# Altium PCB foxbms2-master.PcbDoc (part 1 of 11) (continued)
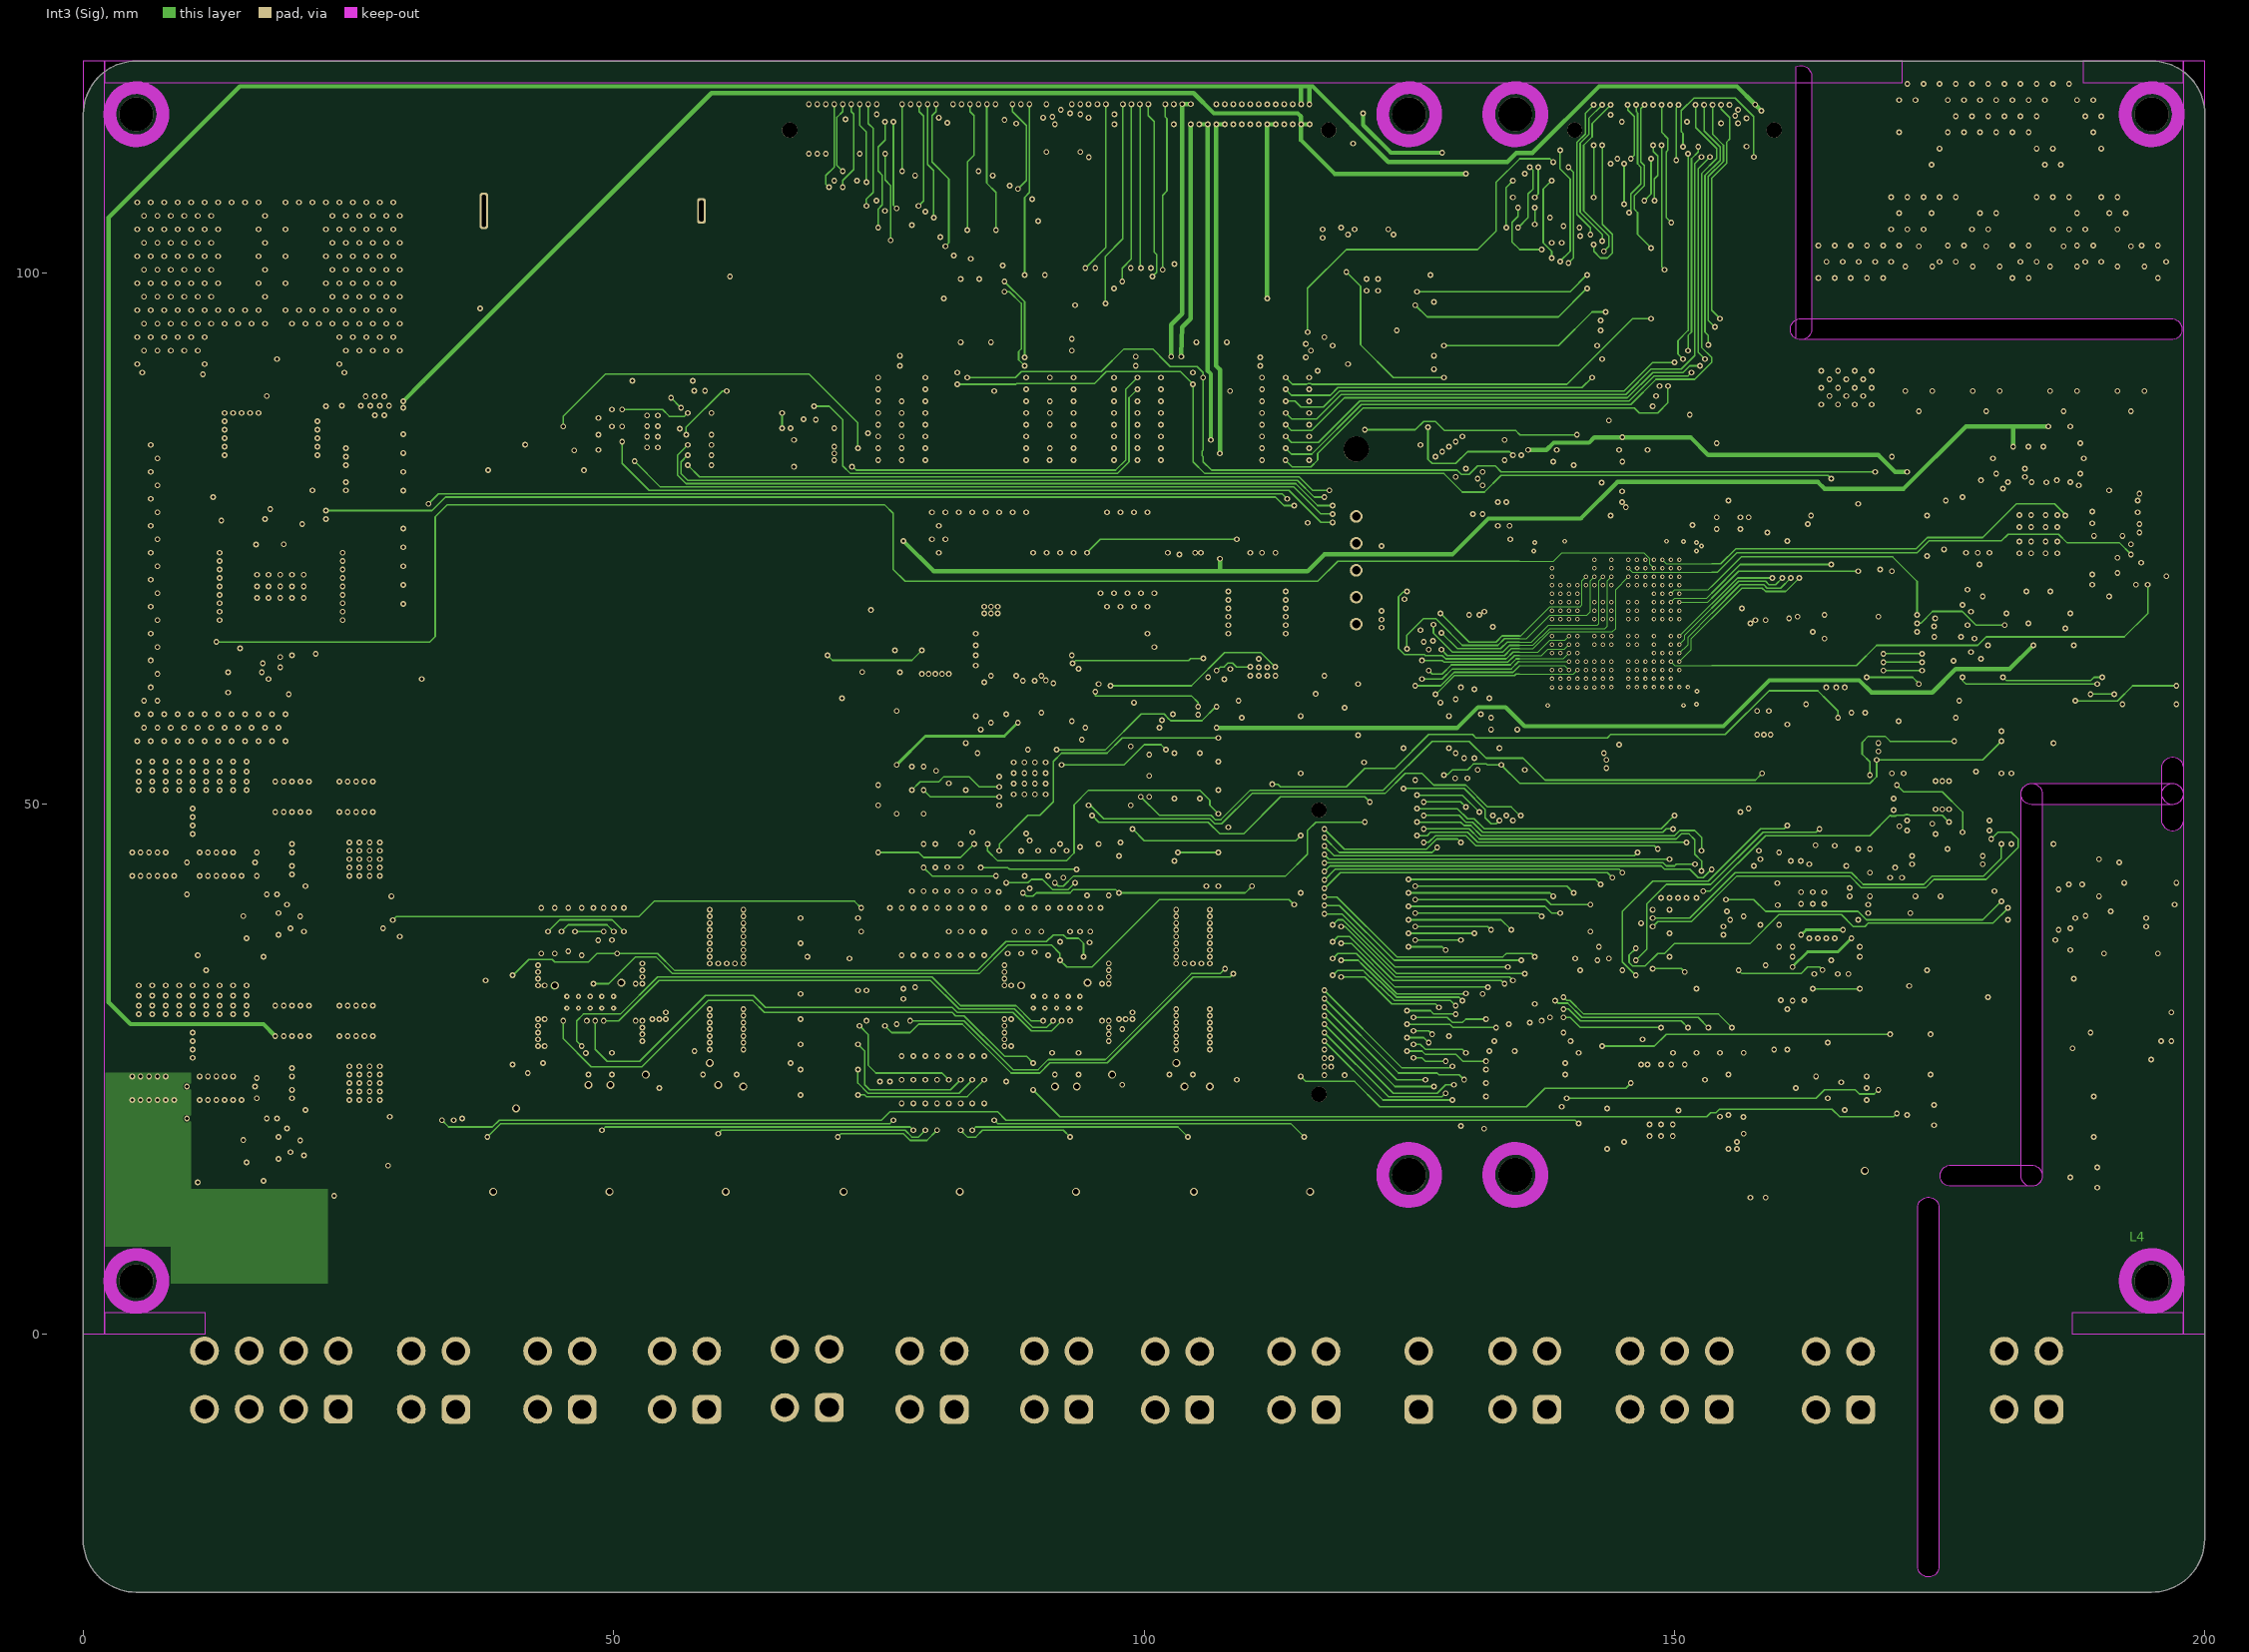
[diagram p4: Int3 (Sig)]
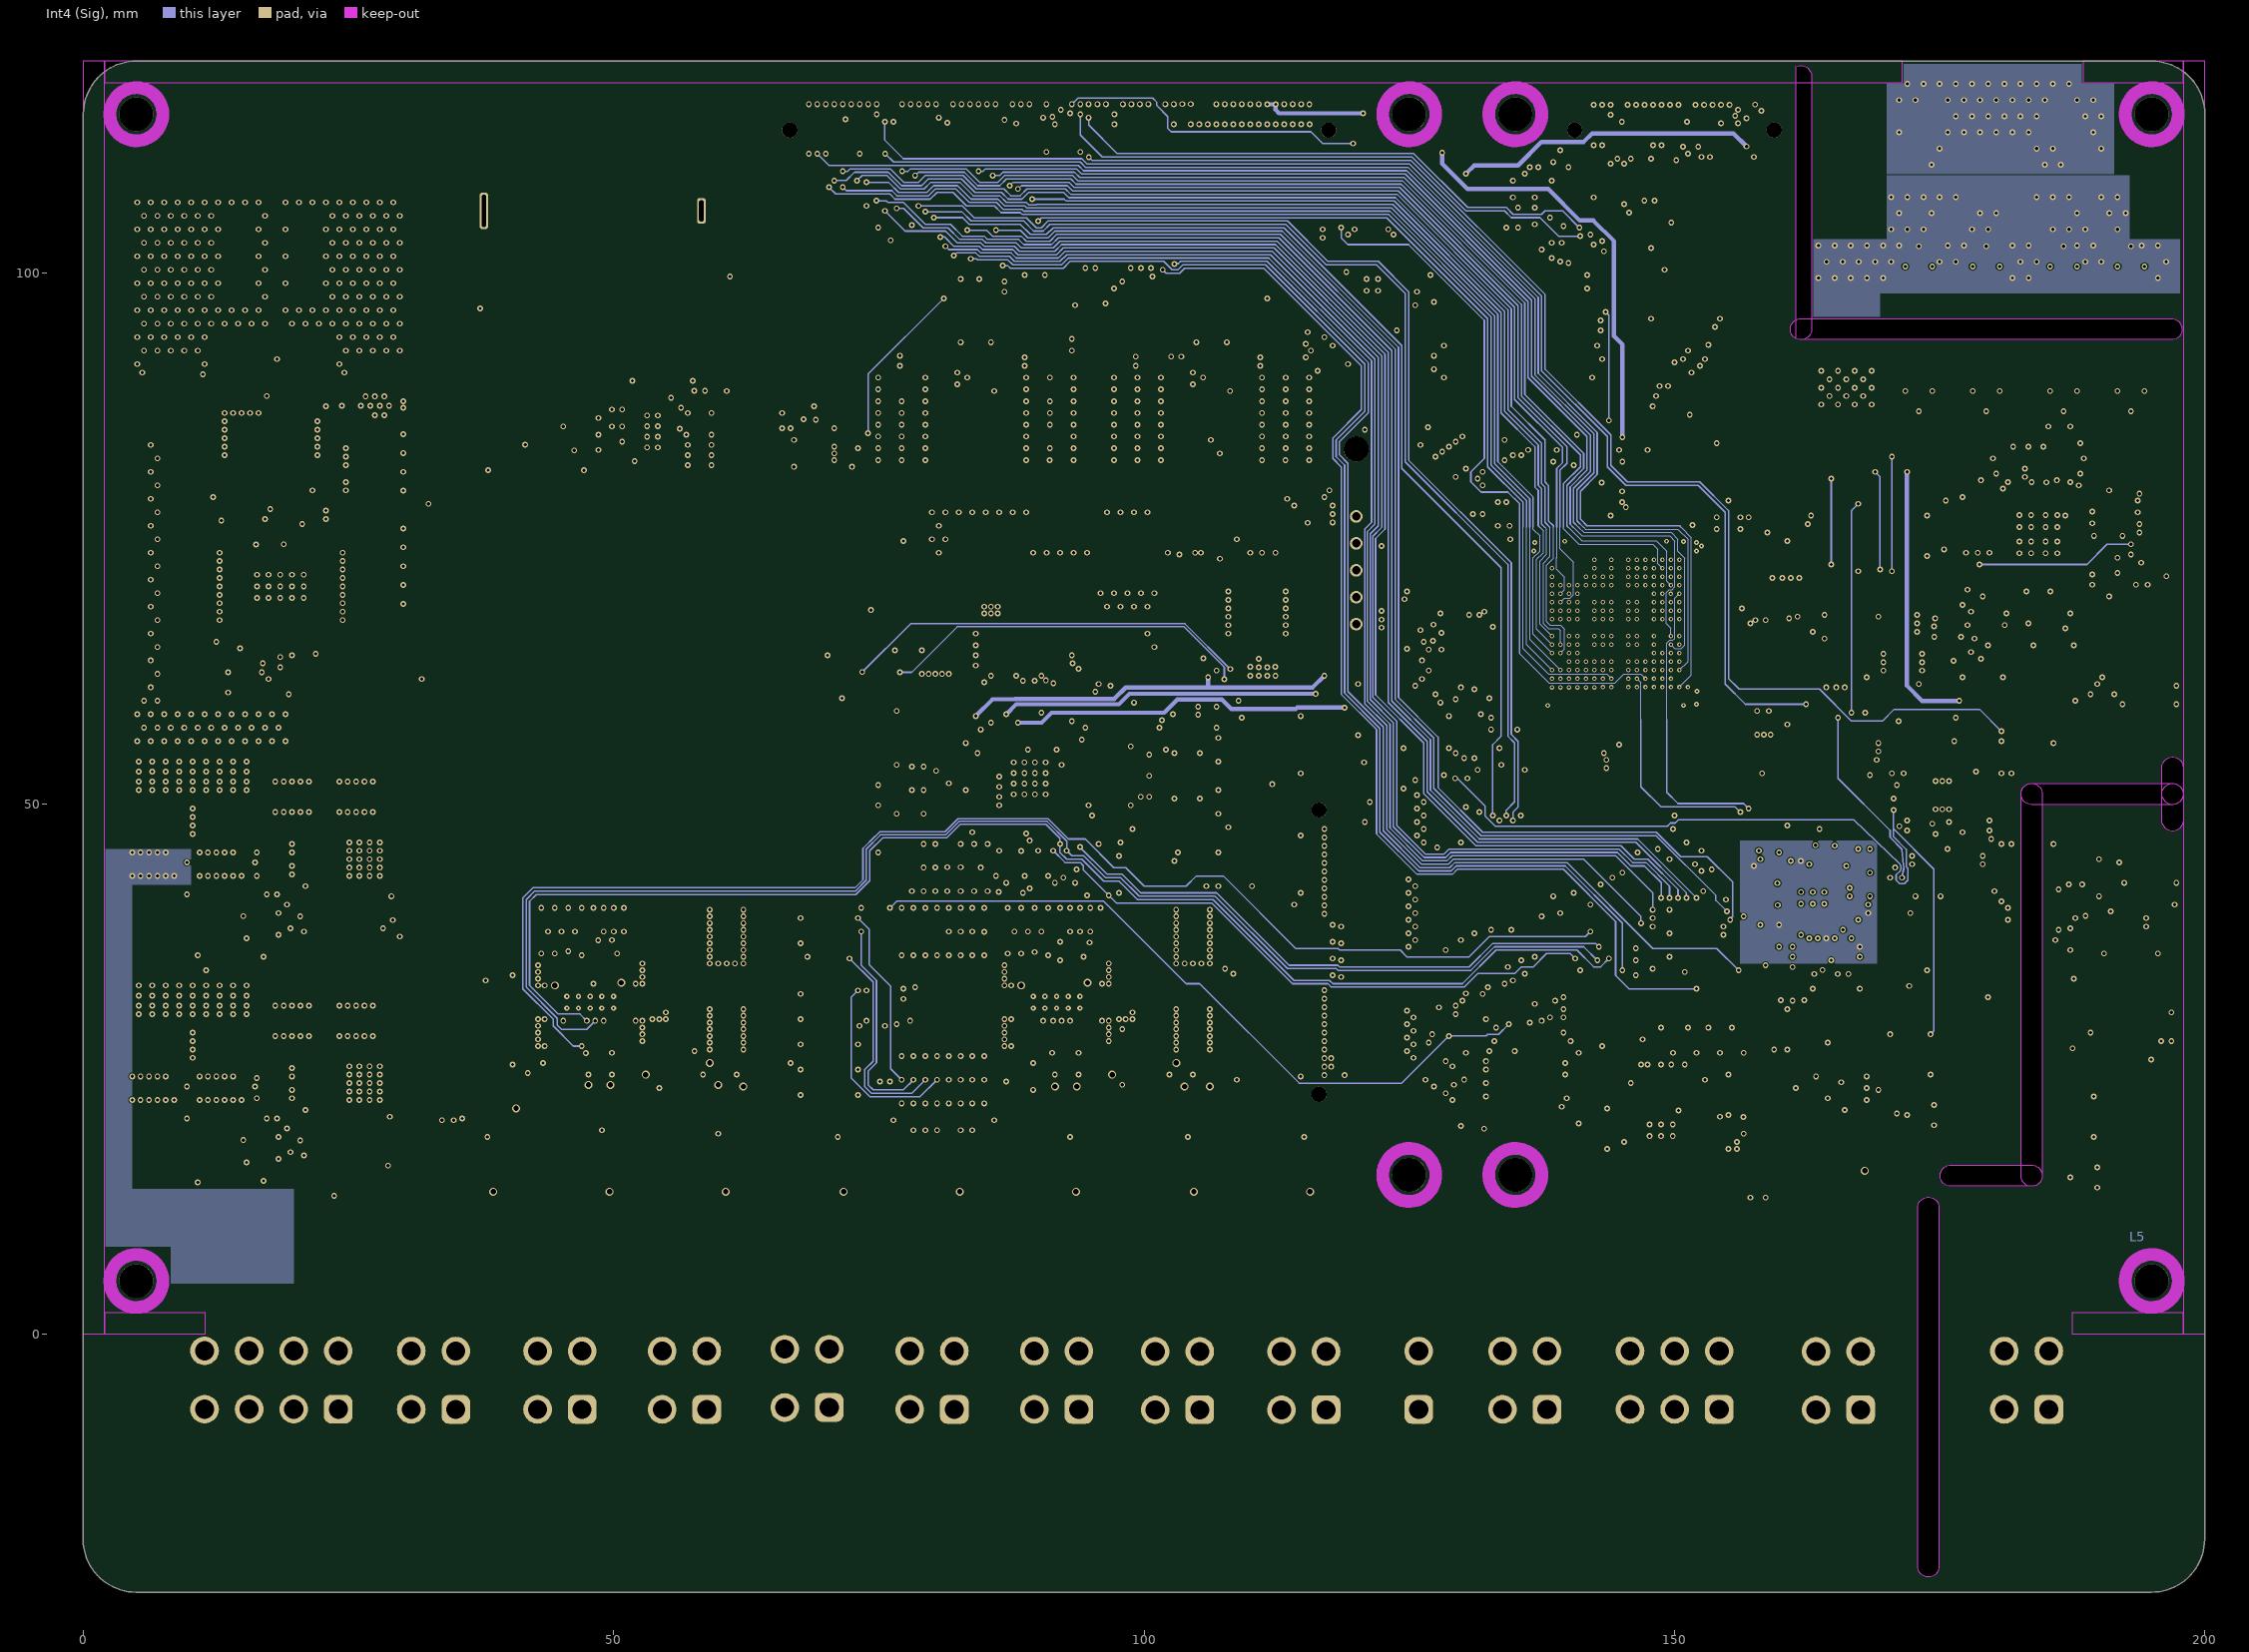
[diagram p5: Int4 (Sig)]
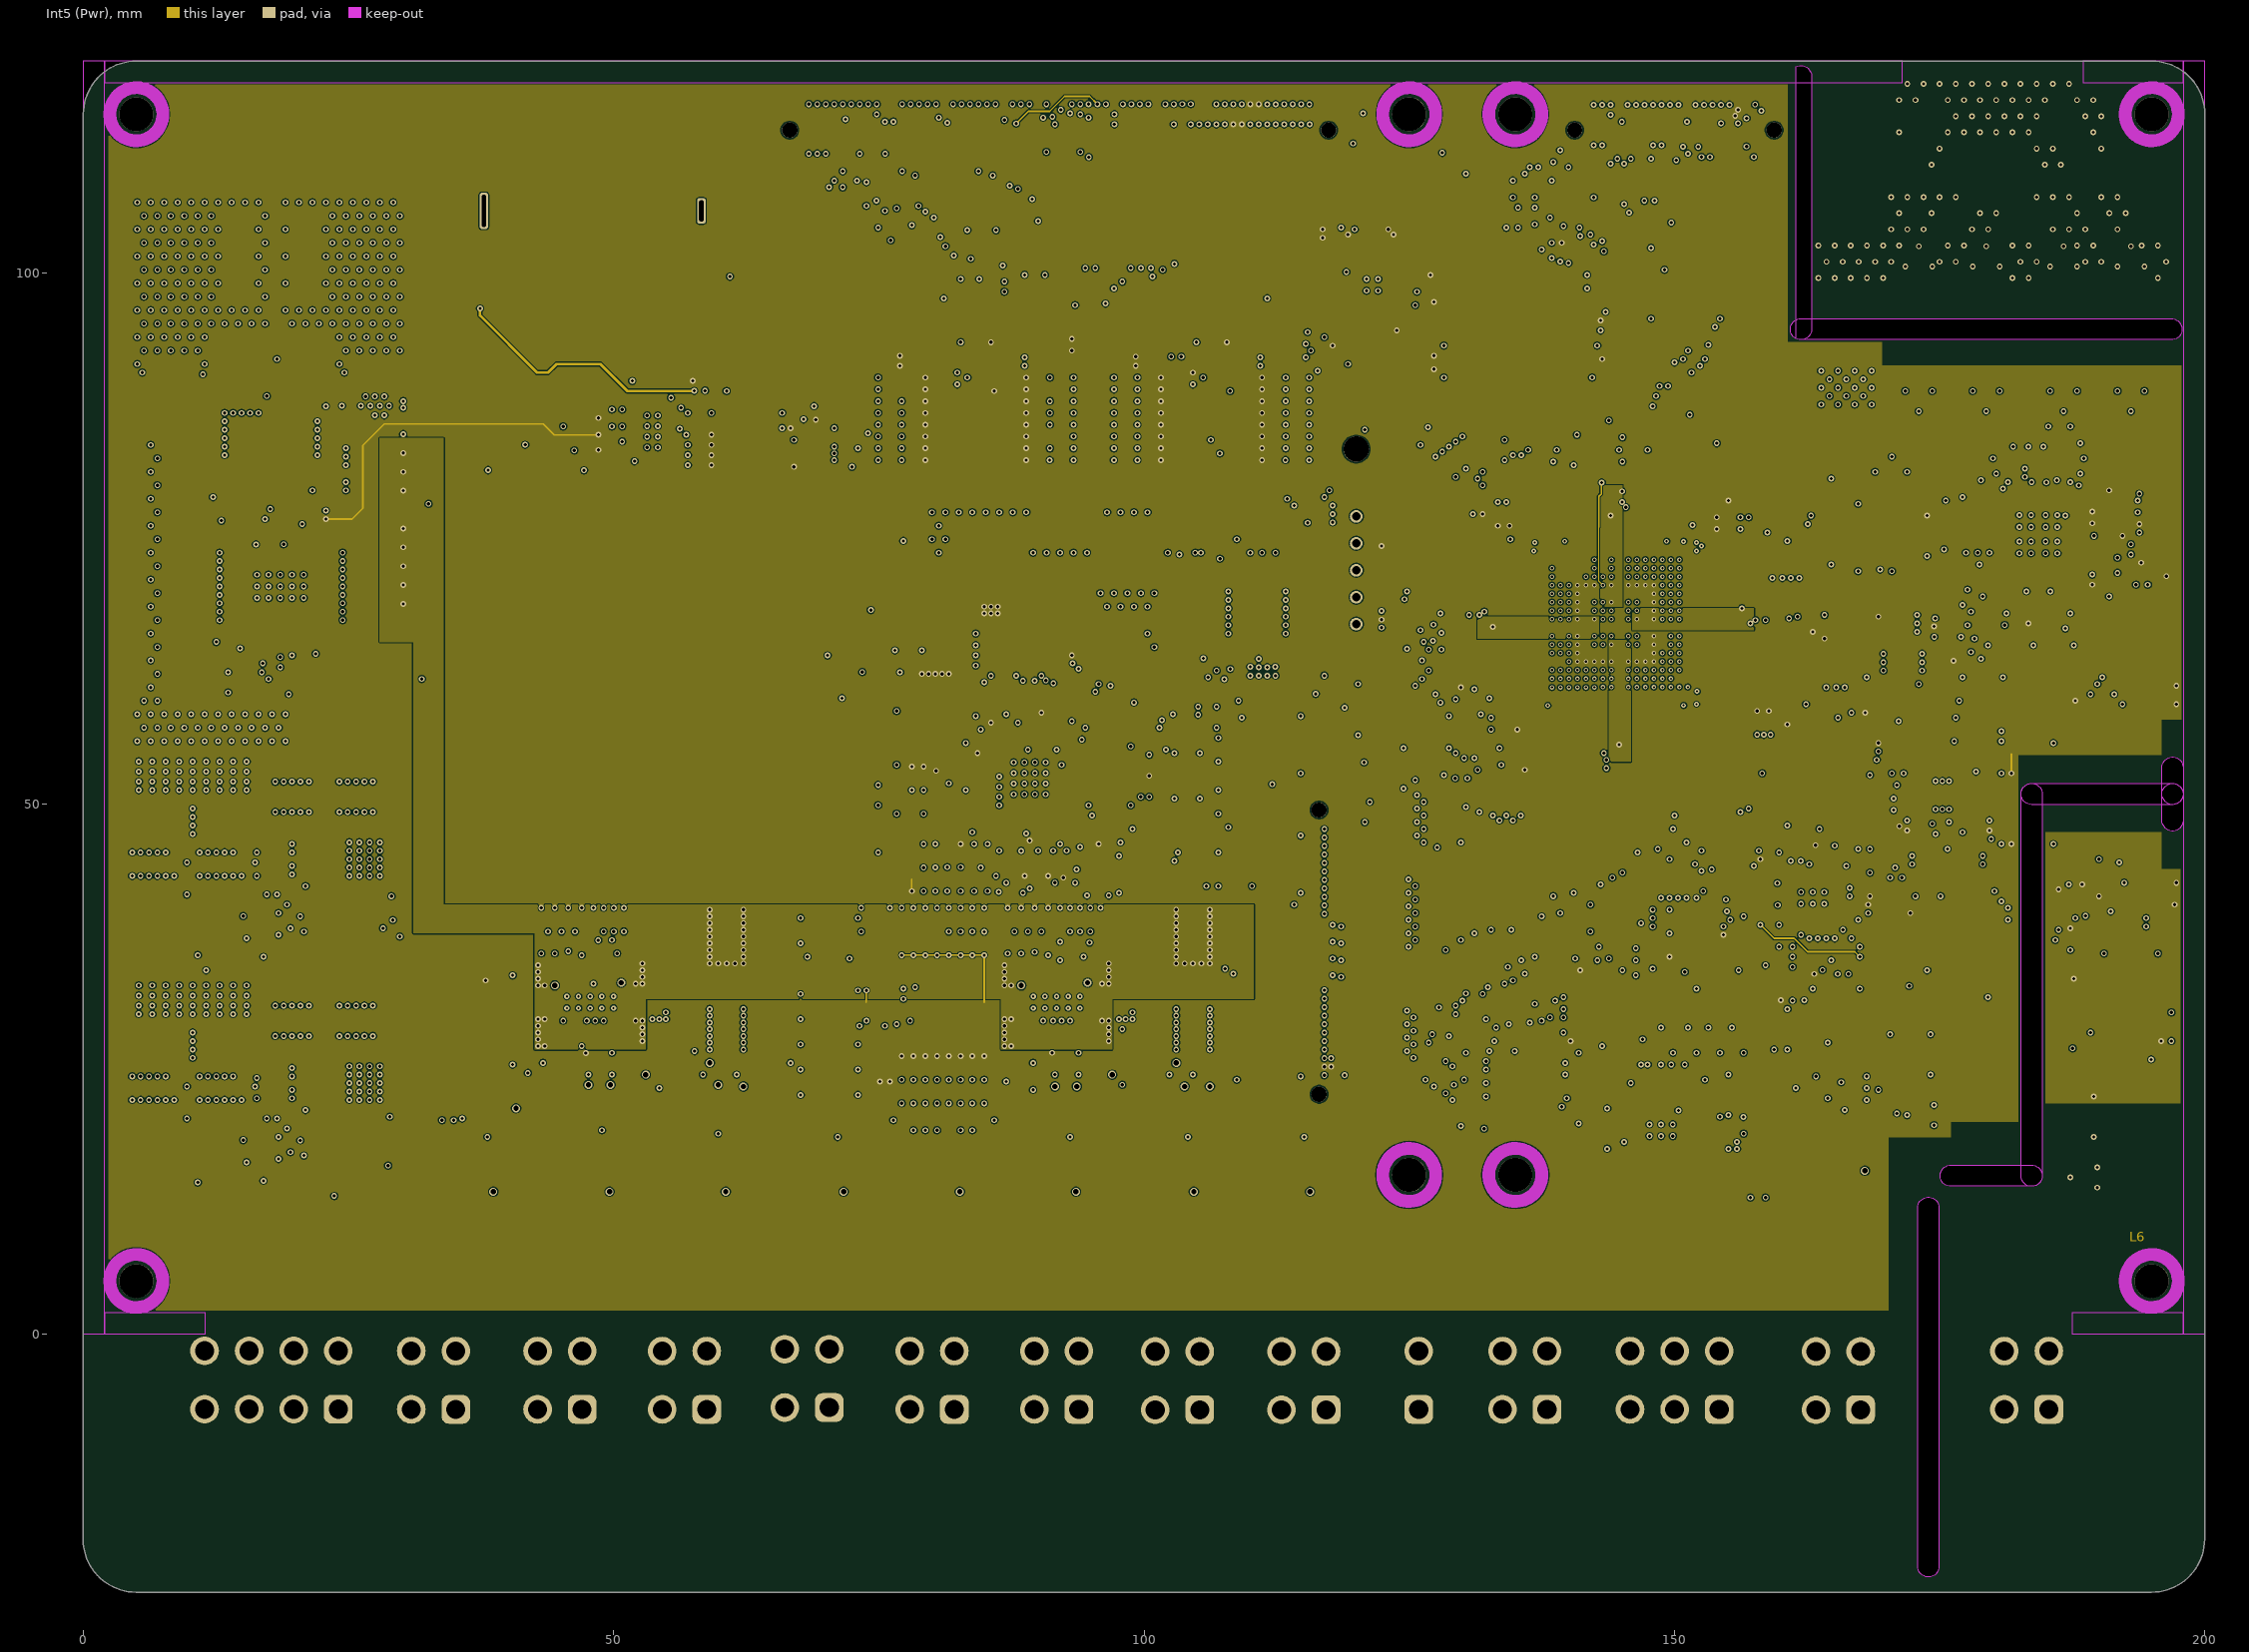
[diagram p6: Int5 (Pwr)]